# Altium PCB UCL-CPUM-H7-2_SCRAP.PcbDoc (part 4 of 4)
Units mm, origin at the board's own origin, x right, y up, seen from the top; angles counter-clockwise.
Board outline 42 x 53 mm, 6 copper layers (Top Layer, L2_GND, L3_VCC, L4_Sig, L5_GND, Bottom Layer), stack 1.657 mm thick; 92 components, 176 nets, 471 pads, 253 vias.
Unrouted connection lines stored in the file: 34.
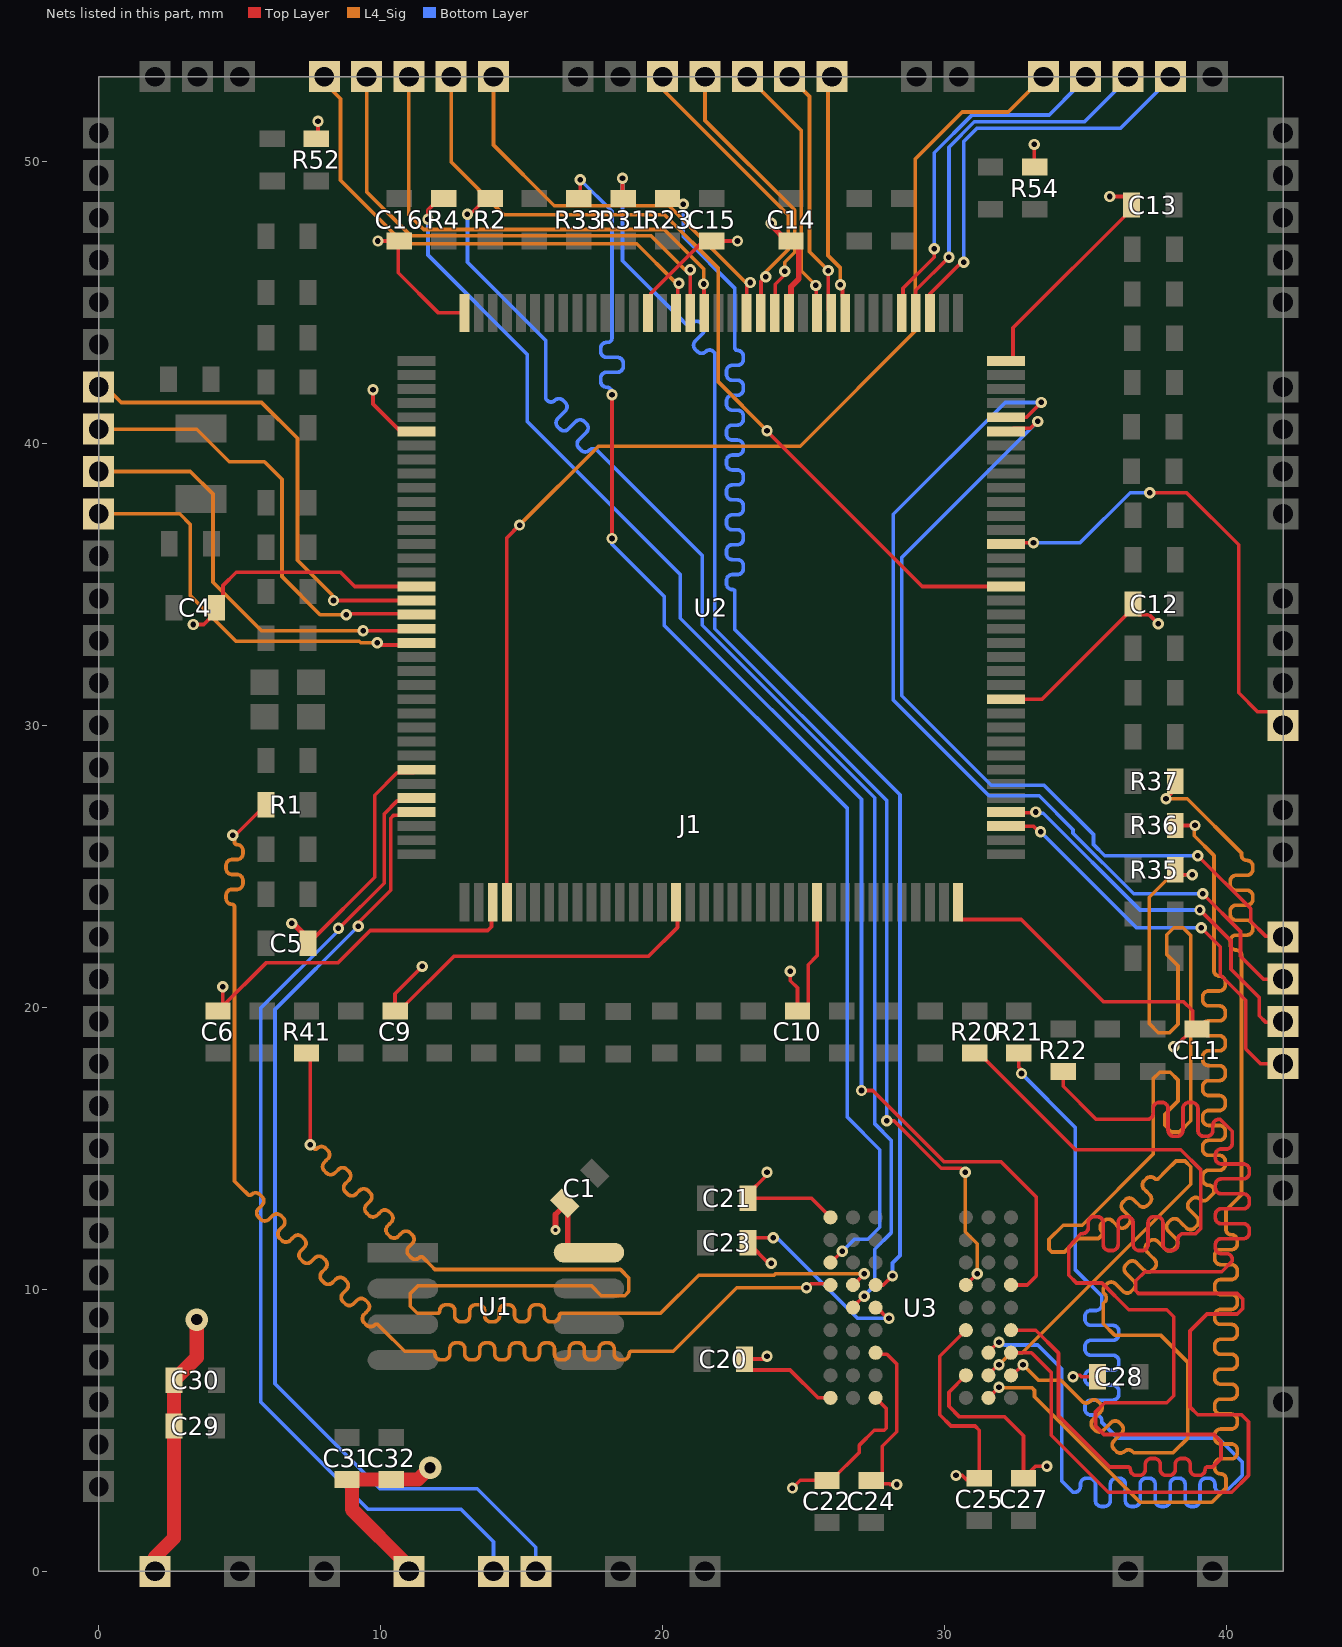
[diagram p8: the nets of this part, all layers, seen from the top]

## Via types
v1: diameter 0.4, hole 0.2, Top Layer to Bottom Layer, 250 vias
v2: diameter 0.8, hole 0.4, Top Layer to Bottom Layer, 2 vias
v3: diameter 0.35, hole 0.15, Top Layer to Bottom Layer, 1 vias

## Nets (pads, with @x,y where several pads share a name; then routed paths per layer and width w, separated by ;. In a path a pad name is that pad's centre, name@x,y a point inside that pad or via, vN(x,y) a via of type N, cw(c..) or ccw(c..) an arc to the next point about the centre after c; other vN are vias at no path point) (continued)
SDRAM_D10: R20.1 U3.D1 | length 52.5
  Top Layer w0.13: R20.1@31.059,18.375 31.209,18.375 34.635,14.95 38.375,14.95 39.075,14.25 39.075,12.15 38.9,11.975 38.55,11.975 38.482,11.975 ccw(c38.482,11.763) 38.27,11.763 38.27,11.587 cw(c38.058,11.587) 38.058,11.375 37.952,11.375 cw(c37.952,11.587) 37.74,11.587 37.74,11.975 37.74,12.363 ccw(c37.528,12.363) 37.528,12.575 37.422,12.575 ccw(c37.422,12.363) 37.21,12.363 37.21,11.975 37.21,11.587 cw(c36.998,11.587) 36.998,11.375 36.892,11.375 cw(c36.892,11.587) 36.68,11.587 36.68,11.975 36.68,12.363 ccw(c36.468,12.363) 36.468,12.575 36.362,12.575 ccw(c36.362,12.363) 36.15,12.363 36.15,11.975 36.15,11.587 cw(c35.938,11.587) 35.938,11.375 35.832,11.375 cw(c35.832,11.587) 35.62,11.587 35.62,11.975 35.62,12.363 ccw(c35.408,12.363) 35.408,12.575 35.302,12.575 ccw(c35.302,12.363) 35.09,12.363 35.09,12.187 cw(c34.878,12.187) 34.878,11.975 34.825,11.975 34.402,11.499 34.4,11.5 34.4,10.5 34.675,10.225 35.575,10.225 36.525,9.275 37.875,9.275 38.125,9.025 38.125,6.225 37.875,5.975 35.675,5.975 35.35,5.65 35.35,5.15 35.65,4.85 39.55,4.85 39.8,4.6 39.8,4 39.5,3.7 39.323,3.7 ccw(c39.323,3.612) 39.235,3.612 cw(c39.023,3.612) 39.023,3.4 38.917,3.4 cw(c38.917,3.612) 38.705,3.612 38.705,3.7 38.705,3.788 ccw(c38.493,3.788) 38.493,4 38.387,4 ccw(c38.387,3.788) 38.175,3.788 38.175,3.7 38.175,3.612 cw(c37.963,3.612) 37.963,3.4 37.857,3.4 cw(c37.857,3.612) 37.645,3.612 37.645,3.7 37.645,3.788 ccw(c37.433,3.788) 37.433,4 37.327,4 ccw(c37.327,3.788) 37.115,3.788 37.115,3.7 37.115,3.612 cw(c36.903,3.612) 36.903,3.4 36.797,3.4 cw(c36.797,3.612) 36.585,3.612 ccw(c36.497,3.612) 36.497,3.7 36.055,3.7 36,3.7 35.85,3.7 34.038,5.512 34.038,7.738 33.225,8.55 U3.D1@32.35,8.55
SDRAM_D11: R21.1 U3.C2 | length 48.4
  Top Layer w0.13: U3.C2@31.55,7.75 31.55,7.775 31.9,8.125 v1(31.927,8.125) ; R21.1@32.63,18.375 32.63,17.88 32.683,17.827 32.683,17.692 v1(32.725,17.65)
  Bottom Layer w0.13: v1(31.927,8.125) 31.95,8.125 31.967,8.108 32.027,8.108 32.11,8.025 33.3,8.025 34.15,7.175 34.15,3.2 34.55,2.8 34.603,2.8 ccw(c34.603,3.012) 34.815,3.012 34.815,3.088 cw(c35.027,3.088) 35.027,3.3 35.133,3.3 cw(c35.133,3.088) 35.345,3.088 35.345,2.8 35.345,2.512 ccw(c35.557,2.512) 35.557,2.3 35.663,2.3 ccw(c35.663,2.512) 35.875,2.512 35.875,2.8 35.875,3.088 cw(c36.087,3.088) 36.087,3.3 36.193,3.3 cw(c36.193,3.088) 36.405,3.088 36.405,2.8 36.405,2.512 ccw(c36.617,2.512) 36.617,2.3 36.723,2.3 ccw(c36.723,2.512) 36.935,2.512 36.935,2.8 36.935,3.088 cw(c37.147,3.088) 37.147,3.3 37.253,3.3 cw(c37.253,3.088) 37.465,3.088 37.465,2.8 37.465,2.512 ccw(c37.677,2.512) 37.677,2.3 37.783,2.3 ccw(c37.783,2.512) 37.995,2.512 37.995,2.8 37.995,3.088 cw(c38.207,3.088) 38.207,3.3 38.313,3.3 cw(c38.313,3.088) 38.525,3.088 38.525,2.8 38.525,2.512 ccw(c38.737,2.512) 38.737,2.3 38.843,2.3 ccw(c38.843,2.512) 39.055,2.512 39.055,2.8 39.055,3.088 cw(c39.267,3.088) 39.267,3.3 39.373,3.3 cw(c39.373,3.088) 39.585,3.088 39.585,3.012 ccw(c39.797,3.012) 39.797,2.8 39.95,2.8 40.55,3.4 40.55,3.875 39.7,4.725 36.125,4.725 35.575,5.275 35.575,5.328 ccw(c35.363,5.328) 35.363,5.54 35.187,5.54 cw(c35.187,5.752) 34.975,5.752 34.975,5.858 cw(c35.187,5.858) 35.187,6.07 35.575,6.07 35.963,6.07 ccw(c35.963,6.282) 36.175,6.282 36.175,6.388 ccw(c35.963,6.388) 35.963,6.6 35.575,6.6 35.187,6.6 cw(c35.187,6.812) 34.975,6.812 34.975,6.918 cw(c35.187,6.918) 35.187,7.13 35.575,7.13 35.963,7.13 ccw(c35.963,7.342) 36.175,7.342 36.175,7.448 ccw(c35.963,7.448) 35.963,7.66 35.575,7.66 35.187,7.66 cw(c35.187,7.872) 34.975,7.872 34.975,7.978 cw(c35.187,7.978) 35.187,8.19 35.575,8.19 35.963,8.19 ccw(c35.963,8.402) 36.175,8.402 36.175,8.508 ccw(c35.963,8.508) 35.963,8.72 35.575,8.72 35.187,8.72 cw(c35.187,8.932) 34.975,8.932 34.975,9.038 cw(c35.187,9.038) 35.187,9.25 35.363,9.25 ccw(c35.363,9.462) 35.575,9.462 35.575,9.675 35.575,9.75 34.625,10.7 34.625,15.75 v1(32.725,17.65)
SDRAM_D12: R22.1 U3.C1 | length 52.1
  Top Layer w0.13: U3.C1@32.35,7.75 33.075,7.75 33.775,7.05 33.775,4.825 35.8,2.8 40.175,2.8 40.775,3.4 40.775,5.3 40.525,5.55 38.976,5.55 38.7,5.826 38.7,8.525 39.3,9.125 40.375,9.125 40.575,9.325 40.575,9.65 40.375,9.85 36.875,9.85 36.775,9.95 36.775,10.3 37.1,10.625 39.825,10.625 40.2,11 40.2,11.053 ccw(c39.988,11.053) 39.988,11.265 39.812,11.265 cw(c39.812,11.477) 39.6,11.477 39.6,11.583 cw(c39.812,11.583) 39.812,11.795 40.2,11.795 40.588,11.795 ccw(c40.588,12.007) 40.8,12.007 40.8,12.113 ccw(c40.588,12.113) 40.588,12.325 40.2,12.325 39.812,12.325 cw(c39.812,12.537) 39.6,12.537 39.6,12.643 cw(c39.812,12.643) 39.812,12.855 40.2,12.855 40.588,12.855 ccw(c40.588,13.067) 40.8,13.067 40.8,13.173 ccw(c40.588,13.173) 40.588,13.385 40.2,13.385 39.812,13.385 cw(c39.812,13.597) 39.6,13.597 39.6,13.703 cw(c39.812,13.703) 39.812,13.915 40.2,13.915 40.588,13.915 ccw(c40.588,14.127) 40.8,14.127 40.8,14.233 ccw(c40.588,14.233) 40.588,14.445 40.2,14.445 39.812,14.445 cw(c39.812,14.657) 39.6,14.657 39.6,14.763 cw(c39.812,14.763) 39.812,14.975 39.988,14.975 ccw(c39.988,15.187) 40.2,15.187 40.2,15.505 40.2,15.6 39.775,16.025 39.722,16.025 ccw(c39.722,15.813) 39.51,15.813 39.51,15.637 cw(c39.298,15.637) 39.298,15.425 39.192,15.425 cw(c39.192,15.637) 38.98,15.637 38.98,16.025 38.98,16.413 ccw(c38.768,16.413) 38.768,16.625 38.662,16.625 ccw(c38.662,16.413) 38.45,16.413 38.45,16.025 38.45,15.637 cw(c38.238,15.637) 38.238,15.425 38.132,15.425 cw(c38.132,15.637) 37.92,15.637 37.92,16.025 37.92,16.413 ccw(c37.708,16.413) 37.708,16.625 37.602,16.625 ccw(c37.602,16.413) 37.39,16.413 37.39,16.237 cw(c37.178,16.237) 37.178,16.025 36.9,16.025 35.375,16.025 34.2,17.2 R22.1@34.2,17.725
SDRAM_D13: R35.2 U3.B2 | length 50.9
  Top Layer w0.13: U3.B2@31.55,6.95 31.55,6.975 31.9,7.325 v1(31.927,7.325) ; R35.2@38.175,24.878 38.353,24.7 v1(38.775,24.7)
  L4_Sig w0.13: v1(31.927,7.325) 32.351,7.75 32.75,7.75 38.725,13.725 38.725,14.35 38.525,14.55 38.2,14.55 37.85,14.2 37.574,13.924 cw(c37.511,13.986) 37.449,13.924 ccw(c37.299,13.774) 37.149,13.924 37.074,13.849 ccw(c37.224,13.699) 37.074,13.549 37.136,13.486 37.269,13.354 cw(c37.119,13.204) 37.269,13.054 37.194,12.979 cw(c37.045,13.129) 36.895,12.979 36.762,13.112 36.699,13.174 ccw(c36.549,13.024) 36.399,13.174 36.324,13.099 ccw(c36.474,12.949) 36.324,12.799 36.387,12.737 36.52,12.604 cw(c36.37,12.454) 36.52,12.304 36.445,12.229 cw(c36.295,12.379) 36.145,12.229 36.012,12.362 35.95,12.425 ccw(c35.8,12.275) 35.65,12.425 35.575,12.35 ccw(c35.725,12.2) 35.575,12.05 cw(c35.512,11.987) 35.575,11.925 35.45,11.8 34.725,11.8 34.25,11.325 33.8,11.325 33.7,11.425 33.7,11.775 34.2,12.275 34.875,12.275 37.4,14.8 37.4,17.475 37.625,17.7 38,17.7 38.275,17.425 38.275,16.675 37.8,16.2 37.8,15.813 38.038,15.575 38.325,15.575 38.725,15.975 38.725,22.55 38.45,22.825 38.125,22.825 37.875,22.575 37.875,21.875 38.275,21.475 38.275,19.4 37.975,19.1 37.575,19.1 37.25,19.425 37.25,23.9 38.05,24.7 v1(38.775,24.7)
SDRAM_D14: R36.2 U3.B1 | length 50.8
  Top Layer w0.13: U3.B1@32.35,6.95 32.275,6.95 32.4,6.95 v1(32.775,7.325) ; R36.2@38.175,26.449 38.874,26.449 v1(38.875,26.45)
  L4_Sig w0.13: v1(32.775,7.325) 33.325,6.775 34.125,6.775 34.7,6.2 34.881,6.019 ccw(c35.014,6.152) 35.146,6.019 cw(c35.296,5.869) 35.446,6.019 35.521,5.944 cw(c35.371,5.795) 35.521,5.645 35.388,5.512 35.255,5.379 ccw(c35.405,5.229) 35.255,5.079 35.33,5.004 ccw(c35.48,5.154) 35.63,5.004 35.763,5.137 35.896,5.27 cw(c36.046,5.12) 36.196,5.27 36.271,5.195 cw(c36.121,5.045) 36.271,4.895 36.138,4.762 36.005,4.629 ccw(c36.155,4.479) 36.005,4.329 36.08,4.254 ccw(c36.23,4.404) 36.38,4.254 cw(c36.513,4.122) 36.646,4.254 36.7,4.2 38.1,4.2 38.625,4.725 38.625,7.4 37.65,8.375 36.025,8.375 35.625,8.775 35.625,9.5 35.679,9.554 ccw(c35.547,9.687) 35.679,9.82 cw(c35.829,9.97) 35.679,10.12 35.754,10.195 cw(c35.904,10.045) 36.054,10.195 36.187,10.062 36.32,9.929 ccw(c36.47,10.079) 36.62,9.929 36.695,10.004 ccw(c36.545,10.154) 36.695,10.304 36.562,10.437 36.429,10.57 cw(c36.579,10.72) 36.429,10.87 36.504,10.945 cw(c36.654,10.795) 36.804,10.945 36.937,10.812 37.07,10.679 ccw(c37.22,10.829) 37.369,10.679 37.444,10.754 ccw(c37.294,10.904) 37.444,11.054 37.311,11.186 37.179,11.319 cw(c37.328,11.469) 37.179,11.619 37.253,11.694 cw(c37.403,11.544) 37.553,11.694 37.686,11.561 37.819,11.428 ccw(c37.969,11.578) 38.119,11.428 38.194,11.503 ccw(c38.044,11.653) 38.194,11.803 38.061,11.936 37.928,12.069 cw(c38.078,12.219) 37.928,12.369 38.003,12.444 cw(c38.153,12.294) 38.303,12.444 38.436,12.311 38.569,12.178 ccw(c38.719,12.328) 38.868,12.178 38.943,12.253 ccw(c38.794,12.403) 38.943,12.553 38.811,12.686 38.678,12.818 cw(c38.827,12.968) 38.678,13.118 38.753,13.193 cw(c38.902,13.043) 39.052,13.193 ccw(c39.185,13.326) 39.318,13.193 39.55,13.425 39.55,13.502 ccw(c39.362,13.502) 39.362,13.69 cw(c39.362,13.902) 39.15,13.902 39.15,14.008 cw(c39.362,14.008) 39.362,14.22 39.55,14.22 39.738,14.22 ccw(c39.738,14.432) 39.95,14.432 39.95,14.538 ccw(c39.738,14.538) 39.738,14.75 39.55,14.75 39.362,14.75 cw(c39.362,14.962) 39.15,14.962 39.15,15.068 cw(c39.362,15.068) 39.362,15.28 39.55,15.28 39.738,15.28 ccw(c39.738,15.492) 39.95,15.492 39.95,15.598 ccw(c39.738,15.598) 39.738,15.81 39.55,15.81 39.362,15.81 cw(c39.362,16.022) 39.15,16.022 39.15,16.128 cw(c39.362,16.128) 39.362,16.34 39.55,16.34 39.738,16.34 ccw(c39.738,16.552) 39.95,16.552 39.95,16.658 ccw(c39.738,16.658) 39.738,16.87 39.55,16.87 39.362,16.87 cw(c39.362,17.082) 39.15,17.082 39.15,17.188 cw(c39.362,17.188) 39.362,17.4 39.55,17.4 39.738,17.4 ccw(c39.738,17.612) 39.95,17.612 39.95,17.718 ccw(c39.738,17.718) 39.738,17.93 39.55,17.93 39.362,17.93 cw(c39.362,18.142) 39.15,18.142 39.15,18.248 cw(c39.362,18.248) 39.362,18.46 39.55,18.46 39.738,18.46 ccw(c39.738,18.672) 39.95,18.672 39.95,18.778 ccw(c39.738,18.778) 39.738,18.99 39.55,18.99 39.362,18.99 cw(c39.362,19.202) 39.15,19.202 39.15,19.308 cw(c39.362,19.308) 39.362,19.52 39.55,19.52 39.738,19.52 ccw(c39.738,19.732) 39.95,19.732 39.95,19.838 ccw(c39.738,19.838) 39.738,20.05 39.55,20.05 39.362,20.05 cw(c39.362,20.262) 39.15,20.262 39.15,20.368 cw(c39.362,20.368) 39.362,20.58 39.55,20.58 39.738,20.58 ccw(c39.738,20.792) 39.95,20.792 39.95,20.898 ccw(c39.738,20.898) 39.738,21.11 cw(c39.738,21.298) 39.55,21.298 39.55,21.6 39.55,25.379 38.849,26.08 38.849,26.424 v1(38.875,26.45)
SDRAM_D15: R37.2 U3.A2 | length 50.9
  Top Layer w0.13: U3.A2@31.55,6.15 v1(31.925,6.525) ; v1(37.85,27.4) 38.175,27.725 R37.2@38.175,28.019
  L4_Sig w0.13: v1(31.925,6.525) 31.945,6.505 33.095,6.505 33.185,6.415 33.185,6.19 36.925,2.45 39.475,2.45 39.975,2.95 39.975,3.267 ccw(c39.787,3.267) 39.787,3.455 cw(c39.787,3.667) 39.575,3.667 39.575,3.773 cw(c39.787,3.773) 39.787,3.985 39.975,3.985 40.163,3.985 ccw(c40.163,4.197) 40.375,4.197 40.375,4.303 ccw(c40.163,4.303) 40.163,4.515 39.975,4.515 39.787,4.515 cw(c39.787,4.727) 39.575,4.727 39.575,4.833 cw(c39.787,4.833) 39.787,5.045 39.975,5.045 40.163,5.045 ccw(c40.163,5.257) 40.375,5.257 40.375,5.363 ccw(c40.163,5.363) 40.163,5.575 39.975,5.575 39.787,5.575 cw(c39.787,5.787) 39.575,5.787 39.575,5.893 cw(c39.787,5.893) 39.787,6.105 39.975,6.105 40.163,6.105 ccw(c40.163,6.317) 40.375,6.317 40.375,6.423 ccw(c40.163,6.423) 40.163,6.635 39.975,6.635 39.787,6.635 cw(c39.787,6.847) 39.575,6.847 39.575,6.953 cw(c39.787,6.953) 39.787,7.165 39.975,7.165 40.163,7.165 ccw(c40.163,7.377) 40.375,7.377 40.375,7.483 ccw(c40.163,7.483) 40.163,7.695 39.975,7.695 39.787,7.695 cw(c39.787,7.907) 39.575,7.907 39.575,8.013 cw(c39.787,8.013) 39.787,8.225 39.975,8.225 40.163,8.225 ccw(c40.163,8.437) 40.375,8.437 40.375,8.543 ccw(c40.163,8.543) 40.163,8.755 39.975,8.755 39.787,8.755 cw(c39.787,8.967) 39.575,8.967 39.575,9.073 cw(c39.787,9.073) 39.787,9.285 39.975,9.285 40.163,9.285 ccw(c40.163,9.497) 40.375,9.497 40.375,9.603 ccw(c40.163,9.603) 40.163,9.815 39.975,9.815 39.787,9.815 cw(c39.787,10.027) 39.575,10.027 39.575,10.133 cw(c39.787,10.133) 39.787,10.345 39.975,10.345 40.163,10.345 ccw(c40.163,10.557) 40.375,10.557 40.375,10.663 ccw(c40.163,10.663) 40.163,10.875 39.975,10.875 39.787,10.875 cw(c39.787,11.087) 39.575,11.087 39.575,11.193 cw(c39.787,11.193) 39.787,11.405 39.975,11.405 40.163,11.405 ccw(c40.163,11.617) 40.375,11.617 40.375,11.723 ccw(c40.163,11.723) 40.163,11.935 cw(c40.163,12.123) 39.975,12.123 39.975,12.2 39.975,12.806 40.525,13.356 40.525,21.6 40.525,21.842 ccw(c40.337,21.842) 40.337,22.03 cw(c40.337,22.242) 40.125,22.242 40.125,22.348 cw(c40.337,22.348) 40.337,22.56 40.525,22.56 40.713,22.56 ccw(c40.713,22.772) 40.925,22.772 40.925,22.878 ccw(c40.713,22.878) 40.713,23.09 40.525,23.09 40.337,23.09 cw(c40.337,23.302) 40.125,23.302 40.125,23.408 cw(c40.337,23.408) 40.337,23.62 40.525,23.62 40.713,23.62 ccw(c40.713,23.832) 40.925,23.832 40.925,23.938 ccw(c40.713,23.938) 40.713,24.15 40.525,24.15 40.337,24.15 cw(c40.337,24.362) 40.125,24.362 40.125,24.468 cw(c40.337,24.468) 40.337,24.68 40.525,24.68 40.713,24.68 ccw(c40.713,24.892) 40.925,24.892 40.925,24.998 ccw(c40.713,24.998) 40.713,25.21 cw(c40.713,25.398) 40.525,25.398 40.525,25.475 38.6,27.4 v1(37.85,27.4)
SDRAM_NBL0: R2.1 U3.E8 | length 48.9
  Top Layer w0.13: v1(13.075,48.125) 13.18,48.125 13.73,48.675 R2.1@13.88,48.675 ; U3.E8@26.75,9.35 26.75,9.375 27.125,9.75 v1(27.151,9.75)
  Bottom Layer w0.13: v1(13.075,48.125) 13.075,46.425 15.85,43.65 15.85,41.575 15.904,41.521 ccw(c16.037,41.653) 16.17,41.521 cw(c16.32,41.371) 16.47,41.521 16.545,41.446 cw(c16.395,41.296) 16.545,41.146 16.412,41.013 16.279,40.88 ccw(c16.429,40.73) 16.279,40.58 16.354,40.505 ccw(c16.504,40.655) 16.654,40.505 16.787,40.638 16.92,40.771 cw(c17.07,40.621) 17.22,40.771 17.295,40.696 cw(c17.145,40.546) 17.295,40.396 17.162,40.263 17.029,40.13 ccw(c17.179,39.98) 17.029,39.831 17.104,39.756 ccw(c17.254,39.906) 17.404,39.756 cw(c17.536,39.623) 17.669,39.756 17.712,39.713 21.4,36.025 21.4,33.55 27.516,27.434 ; v1(27.151,9.75) 27.151,9.774 27.353,9.975 27.516,10.139 27.516,11.416 28.1,12 28.1,15.288 27.525,15.863 27.525,27.425
SDRAM_NBL1: R4.1 U3.F1 | length 49.9
  Top Layer w0.13: v1(11.675,47.95) 11.675,48.27 12.08,48.675 R4.1@12.23,48.675 ; v1(27.05,17.05) 27.45,17.05 29.975,14.525 32,14.525 33.25,13.275 33.25,10.475 32.925,10.15 U3.F1@32.35,10.15
  Bottom Layer w0.13: v1(11.675,47.95) 11.675,46.675 15.2,43.15 15.2,40.775 20.625,35.35 20.625,33.8 27.05,27.375 v1(27.05,17.05)
SDRAM_SDCKE1: R31.1 U3.F3 | length 47
  Top Layer w0.13: v1(18.575,49.4) 18.575,48.8 18.65,48.725 R31.1@18.6,48.675 ; v1(27.95,15.975) 28.2,15.975 29.88,14.295 30.58,14.295 v1(30.725,14.15) ; U3.F3@30.75,10.15 v1(31.15,10.55)
  L4_Sig w0.13: v1(30.725,14.15) 30.725,12.037 31.15,11.612 v1(31.15,10.55)
  Bottom Layer w0.13: v1(18.575,49.4) 18.575,46.475 20.663,44.388 20.78,44.27 ccw(c20.913,44.403) 21.046,44.27 cw(c21.196,44.12) 21.346,44.27 21.421,44.195 cw(c21.271,44.045) 21.421,43.895 21.288,43.762 21.155,43.629 ccw(c21.305,43.479) 21.155,43.329 21.23,43.254 ccw(c21.38,43.404) 21.53,43.254 cw(c21.663,43.122) 21.796,43.254 21.85,43.2 21.85,33.425 27.95,27.325 v1(27.95,15.975)
SDRAM_SDNCAS: R23.2 U3.F7 | length 49.3
  Top Layer w0.13: R23.2@20.17,48.675 20.37,48.475 v1(20.725,48.475) ; U3.F7@27.55,10.15 27.825,10.15 v1(28.15,10.475)
  Bottom Layer w0.13: v1(20.725,48.475) 20.725,47.325 22.56,45.49 22.56,43.55 22.56,43.383 ccw(c22.648,43.383) 22.648,43.295 cw(c22.648,43.083) 22.86,43.083 22.86,42.977 cw(c22.648,42.977) 22.648,42.765 22.56,42.765 22.472,42.765 ccw(c22.472,42.553) 22.26,42.553 22.26,42.447 ccw(c22.472,42.447) 22.472,42.235 22.56,42.235 22.648,42.235 cw(c22.648,42.023) 22.86,42.023 22.86,41.917 cw(c22.648,41.917) 22.648,41.705 22.56,41.705 22.472,41.705 ccw(c22.472,41.493) 22.26,41.493 22.26,41.387 ccw(c22.472,41.387) 22.472,41.175 22.56,41.175 22.648,41.175 cw(c22.648,40.963) 22.86,40.963 22.86,40.857 cw(c22.648,40.857) 22.648,40.645 22.56,40.645 22.472,40.645 ccw(c22.472,40.433) 22.26,40.433 22.26,40.327 ccw(c22.472,40.327) 22.472,40.115 22.56,40.115 22.648,40.115 cw(c22.648,39.903) 22.86,39.903 22.86,39.797 cw(c22.648,39.797) 22.648,39.585 22.56,39.585 22.472,39.585 ccw(c22.472,39.373) 22.26,39.373 22.26,39.267 ccw(c22.472,39.267) 22.472,39.055 22.56,39.055 22.648,39.055 cw(c22.648,38.843) 22.86,38.843 22.86,38.737 cw(c22.648,38.737) 22.648,38.525 22.56,38.525 22.472,38.525 ccw(c22.472,38.313) 22.26,38.313 22.26,38.207 ccw(c22.472,38.207) 22.472,37.995 22.56,37.995 22.648,37.995 cw(c22.648,37.783) 22.86,37.783 22.86,37.677 cw(c22.648,37.677) 22.648,37.465 22.56,37.465 22.472,37.465 ccw(c22.472,37.253) 22.26,37.253 22.26,37.147 ccw(c22.472,37.147) 22.472,36.935 22.56,36.935 22.648,36.935 cw(c22.648,36.723) 22.86,36.723 22.86,36.617 cw(c22.648,36.617) 22.648,36.405 22.56,36.405 22.472,36.405 ccw(c22.472,36.193) 22.26,36.193 22.26,36.087 ccw(c22.472,36.087) 22.472,35.875 22.56,35.875 22.648,35.875 cw(c22.648,35.663) 22.86,35.663 22.86,35.557 cw(c22.648,35.557) 22.648,35.345 22.56,35.345 22.472,35.345 ccw(c22.472,35.133) 22.26,35.133 22.26,35.027 ccw(c22.472,35.027) 22.472,34.815 cw(c22.472,34.727) 22.56,34.727 22.56,34.55 22.56,33.39 28.415,27.535 28.415,11.199 28.15,10.934 v1(28.15,10.475)
SDRAM_SDNE1: R33.1 U3.G9 | length 46.2
  Top Layer w0.13: R33.1@17.02,48.675 17.075,48.73 v1(17.075,49.35) ; v1(18.2,36.625) v1(18.2,41.725) ; U3.G9@25.95,10.95 25.963,10.95 v1(26.363,11.351)
  Bottom Layer w0.13: v1(17.075,49.35) 18.2,48.225 18.2,43.725 cw(c18.055,43.725) 18.055,43.58 18.012,43.58 ccw(c18.012,43.368) 17.8,43.368 17.8,43.262 ccw(c18.012,43.262) 18.012,43.05 18.2,43.05 18.388,43.05 cw(c18.388,42.838) 18.6,42.838 18.6,42.732 cw(c18.388,42.732) 18.388,42.52 18.2,42.52 18.012,42.52 ccw(c18.012,42.308) 17.8,42.308 17.8,42.202 ccw(c18.012,42.202) 18.012,41.99 cw(c18.012,41.802) 18.2,41.802 v1(18.2,41.725) ; v1(18.2,36.625) 18.2,36.425 20.05,34.575 20.05,33.55 26.55,27.05 26.55,16.1 27.7,14.95 27.7,12.2 27.275,11.775 26.801,11.775 26.376,11.351 v1(26.363,11.351)
SDRAM_SDNRAS: R41.1 U3.F8 | length 50.4
  Top Layer w0.13: R41.1@7.369,18.375 7.5,18.244 v1(7.5,15.125) ; U3.F8@26.75,10.15 26.763,10.15 27.151,10.538 v1(27.151,10.551)
  L4_Sig w0.13: v1(7.5,15.125) 7.625,15 ccw(c7.687,15.062) 7.75,15 cw(c7.9,14.85) 8.049,15 8.124,14.925 cw(c7.974,14.775) 8.124,14.625 8.062,14.563 8,14.501 ccw(c8.15,14.351) 8,14.201 8.075,14.126 ccw(c8.225,14.276) 8.375,14.126 8.437,14.188 8.499,14.25 cw(c8.649,14.1) 8.799,14.25 8.874,14.175 cw(c8.724,14.025) 8.874,13.876 8.812,13.813 8.749,13.751 ccw(c8.899,13.601) 8.749,13.451 8.824,13.376 ccw(c8.974,13.526) 9.124,13.376 9.186,13.439 9.249,13.501 cw(c9.399,13.351) 9.548,13.501 9.623,13.426 cw(c9.474,13.276) 9.623,13.126 9.561,13.064 9.499,13.002 ccw(c9.649,12.852) 9.499,12.702 9.574,12.627 ccw(c9.724,12.777) 9.874,12.627 9.936,12.689 9.998,12.751 cw(c10.148,12.601) 10.298,12.751 10.373,12.676 cw(c10.223,12.526) 10.373,12.376 10.311,12.314 10.249,12.252 ccw(c10.398,12.102) 10.249,11.952 10.323,11.877 ccw(c10.473,12.027) 10.623,11.877 10.686,11.939 10.748,12.002 cw(c10.898,11.852) 11.048,12.002 11.122,11.927 cw(c10.973,11.777) 11.122,11.627 11.06,11.565 10.998,11.502 ccw(c11.148,11.353) 10.998,11.203 11.073,11.128 ccw(c11.223,11.278) 11.373,11.128 cw(c11.435,11.066) 11.497,11.128 11.81,10.815 11.925,10.7 18.5,10.7 18.8,10.4 18.8,9.925 18.65,9.775 17.825,9.775 17.475,10.125 11.325,10.125 11.05,9.85 11.05,9.4 11.3,9.15 11.85,9.15 12.007,9.15 ccw(c12.007,9.238) 12.095,9.238 cw(c12.307,9.238) 12.307,9.45 12.413,9.45 cw(c12.413,9.238) 12.625,9.238 12.625,9.15 12.625,9.062 ccw(c12.837,9.062) 12.837,8.85 12.943,8.85 ccw(c12.943,9.062) 13.155,9.062 13.155,9.15 13.155,9.238 cw(c13.367,9.238) 13.367,9.45 13.473,9.45 cw(c13.473,9.238) 13.685,9.238 13.685,9.15 13.685,9.062 ccw(c13.897,9.062) 13.897,8.85 14.003,8.85 ccw(c14.003,9.062) 14.215,9.062 14.215,9.15 14.215,9.238 cw(c14.427,9.238) 14.427,9.45 14.533,9.45 cw(c14.533,9.238) 14.745,9.238 14.745,9.15 14.745,9.062 ccw(c14.957,9.062) 14.957,8.85 15.063,8.85 ccw(c15.063,9.062) 15.275,9.062 15.275,9.15 15.275,9.238 cw(c15.487,9.238) 15.487,9.45 15.593,9.45 cw(c15.593,9.238) 15.805,9.238 15.805,9.15 15.805,9.062 ccw(c16.017,9.062) 16.017,8.85 16.123,8.85 ccw(c16.123,9.062) 16.335,9.062 cw(c16.423,9.062) 16.423,9.15 16.6,9.15 19.925,9.15 21.275,10.5 23.951,10.5 24.002,10.551 v1(27.151,10.551)
  Bottom Layer w0.13: v1@27.15,10.475 27.15,10.477 27.151,10.478 v1(27.151,10.551)
SDRAM_SDNWE: R1.2 U3.F9 | length 50.5
  Top Layer w0.13: v1(4.75,26.1) 4.845,26.1 R1.2@5.925,27.18 ; v1(25.1,10.05) 25.25,10.2 25.875,10.2 25.925,10.15 U3.F9@25.95,10.15
  L4_Sig w0.13: v1(4.75,26.1) 4.815,26.035 4.815,25.858 ccw(c4.903,25.858) 4.903,25.77 cw(c4.903,25.558) 5.115,25.558 5.115,25.452 cw(c4.903,25.452) 4.903,25.24 4.815,25.24 4.727,25.24 ccw(c4.727,25.028) 4.515,25.028 4.515,24.922 ccw(c4.727,24.922) 4.727,24.71 4.815,24.71 4.903,24.71 cw(c4.903,24.498) 5.115,24.498 5.115,24.392 cw(c4.903,24.392) 4.903,24.18 4.815,24.18 4.727,24.18 ccw(c4.727,23.968) 4.515,23.968 4.515,23.862 ccw(c4.727,23.862) 4.727,23.65 cw(c4.727,23.562) 4.815,23.562 4.815,23.4 4.815,13.835 5.037,13.613 5.291,13.359 ccw(c5.353,13.422) 5.415,13.359 cw(c5.565,13.209) 5.715,13.359 5.79,13.284 cw(c5.64,13.134) 5.79,12.985 5.728,12.922 5.665,12.86 ccw(c5.815,12.71) 5.665,12.56 5.74,12.485 ccw(c5.89,12.635) 6.04,12.485 6.102,12.548 6.165,12.61 cw(c6.315,12.46) 6.464,12.61 6.539,12.535 cw(c6.39,12.385) 6.539,12.235 6.477,12.173 6.415,12.111 ccw(c6.565,11.961) 6.415,11.811 6.49,11.736 ccw(c6.64,11.886) 6.79,11.736 6.852,11.798 6.914,11.86 cw(c7.064,11.71) 7.214,11.86 7.289,11.785 cw(c7.139,11.635) 7.289,11.485 7.227,11.423 7.165,11.361 ccw(c7.314,11.211) 7.165,11.061 7.239,10.986 ccw(c7.389,11.136) 7.539,10.986 7.602,11.048 7.664,11.111 cw(c7.814,10.961) 7.964,11.111 8.039,11.036 cw(c7.889,10.886) 8.039,10.736 7.976,10.674 7.914,10.611 ccw(c8.064,10.462) 7.914,10.312 7.989,10.237 ccw(c8.139,10.387) 8.289,10.237 8.351,10.299 8.413,10.361 cw(c8.563,10.211) 8.713,10.361 8.788,10.286 cw(c8.638,10.136) 8.788,9.986 8.726,9.924 8.664,9.862 ccw(c8.813,9.712) 8.664,9.562 8.739,9.487 ccw(c8.888,9.637) 9.038,9.487 9.101,9.549 9.163,9.612 cw(c9.313,9.462) 9.463,9.612 9.538,9.537 cw(c9.388,9.387) 9.538,9.237 9.475,9.175 9.413,9.112 ccw(c9.563,8.963) 9.413,8.813 9.488,8.738 ccw(c9.638,8.888) 9.788,8.738 cw(c9.85,8.675) 9.912,8.738 10.037,8.612 10.85,7.8 11.8,7.8 11.832,7.8 cw(c11.832,7.712) 11.92,7.712 ccw(c12.132,7.712) 12.132,7.5 12.238,7.5 ccw(c12.238,7.712) 12.45,7.712 12.45,7.8 12.45,7.888 cw(c12.662,7.888) 12.662,8.1 12.768,8.1 cw(c12.768,7.888) 12.98,7.888 12.98,7.8 12.98,7.712 ccw(c13.192,7.712) 13.192,7.5 13.298,7.5 ccw(c13.298,7.712) 13.51,7.712 13.51,7.8 13.51,7.888 cw(c13.722,7.888) 13.722,8.1 13.828,8.1 cw(c13.828,7.888) 14.04,7.888 14.04,7.8 14.04,7.712 ccw(c14.252,7.712) 14.252,7.5 14.358,7.5 ccw(c14.358,7.712) 14.57,7.712 14.57,7.8 14.57,7.888 cw(c14.782,7.888) 14.782,8.1 14.888,8.1 cw(c14.888,7.888) 15.1,7.888 15.1,7.8 15.1,7.712 ccw(c15.312,7.712) 15.312,7.5 15.418,7.5 ccw(c15.418,7.712) 15.63,7.712 15.63,7.8 15.63,7.888 cw(c15.842,7.888) 15.842,8.1 15.948,8.1 cw(c15.948,7.888) 16.16,7.888 16.16,7.8 16.16,7.712 ccw(c16.372,7.712) 16.372,7.5 16.478,7.5 ccw(c16.478,7.712) 16.69,7.712 16.69,7.8 16.69,7.888 cw(c16.902,7.888) 16.902,8.1 17.008,8.1 cw(c17.008,7.888) 17.22,7.888 17.22,7.8 17.22,7.712 ccw(c17.432,7.712) 17.432,7.5 17.538,7.5 ccw(c17.538,7.712) 17.75,7.712 17.75,7.8 17.75,7.888 cw(c17.962,7.888) 17.962,8.1 18.068,8.1 cw(c18.068,7.888) 18.28,7.888 18.28,7.8 18.28,7.712 ccw(c18.492,7.712) 18.492,7.5 18.598,7.5 ccw(c18.598,7.712) 18.81,7.712 cw(c18.898,7.712) 18.898,7.8 19.075,7.8 20.375,7.8 22.625,10.05 v1(25.1,10.05)
SPI2_MISO: J1.41 U2.75 | length 14.6
  Top Layer w0.13: U2.75@32.175,26.425 33.14,26.425 33.34,26.225 v1(33.4,26.225) ; v1(39.1,22.825) 39.775,22.15 39.775,21.15 40.675,20.25 40.675,18.525 41.2,18 J1.41@41.685,18
  Bottom Layer w0.13: v1(33.4,26.225) 36.8,22.825 v1(39.1,22.825)
SPI2_MOSI: J1.40 U2.76 | length 13.6
  Top Layer w0.13: U2.76@32.175,26.925 32.375,26.925 32.4,26.9 33.2,26.9 v1(33.225,26.925) ; v1(39.05,23.45) 40.15,22.35 40.15,21.35 41.15,20.35 41.15,19.7 41.375,19.475 41.66,19.475 J1.40@41.685,19.5
  Bottom Layer w0.13: v1(33.225,26.925) 33.267,26.883 33.492,26.883 36.925,23.45 v1(39.05,23.45)
SPI2_NSS: J1.38 U2.103 | length 30.2
  Top Layer w0.13: U2.103@32.175,40.425 32.325,40.425 32.43,40.53 33.045,40.53 33.292,40.777 v1(33.302,40.777) ; v1(38.975,25.375) 40.85,23.5 40.85,23.05 41.375,22.525 41.66,22.525 J1.38@41.685,22.5
  Bottom Layer w0.13: v1(33.302,40.777) 28.475,35.95 28.475,31.05 31.65,27.875 33.525,27.875 35.275,26.125 35.275,25.775 35.675,25.375 v1(38.975,25.375)
SPI2_SCK: J1.39 U2.104 | length 33.1
  Top Layer w0.13: U2.104@32.175,40.925 32.9,40.925 v1(33.425,41.45) ; v1(39.15,24.025) 40.487,22.688 40.487,21.813 41.275,21.025 41.28,21.025 41.305,21 J1.39@41.685,21
  Bottom Layer w0.13: v1(33.425,41.45) 32.15,41.45 28.18,37.48 28.18,30.895 31.575,27.5 33.35,27.5 34.55,26.3 34.55,26.175 36.7,24.025 v1(39.15,24.025)
SPI3_MISO: J1.20 U2.112 | length 13.9
  Top Layer w0.13: U2.112@28.975,44.625 28.975,45.425 v1(30.15,46.6)
  Bottom Layer w0.13: v1(30.15,46.6) 30.15,50.5 31.05,51.4 34.962,51.4 36.247,52.685 36.5,52.685 J1.20@36.5,53
SPI3_MOSI: J1.19 U2.113 | length 12.8
  Top Layer w0.13: U2.113@28.475,44.625 28.52,44.67 28.52,45.495 29.625,46.6 v1(29.625,46.9)
  Bottom Layer w0.13: v1(29.625,46.9) 29.625,50.301 30.969,51.645 33.707,51.645 34.747,52.685 35,52.685 J1.19@35,53
SPI3_NSS: J1.18 U2.40 | length 42.3
  Top Layer w0.13: U2.40@14.475,23.725 14.475,36.65 v1(14.925,37.1)
  L4_Sig w0.13: v1(14.925,37.1) 17.725,39.9 24.875,39.9 28.95,43.975 28.95,50.075 30.625,51.75 32.25,51.75 J1.18@33.5,53
SPI3_SCK: J1.21 U2.111 | length 14.8
  Top Layer w0.13: U2.111@29.475,44.625 29.475,45.3 30.6,46.425 v1(30.675,46.425)
  Bottom Layer w0.13: v1(30.675,46.425) 30.675,50.7 31.145,51.17 36.232,51.17 37.747,52.685 J1.21@38,52.685
SPI5_MISO: J1.79 U2.20 | length 15.2
  Top Layer w0.13: v1(9.375,33.35) 11.2,33.35 U2.20@11.275,33.425
  L4_Sig w0.13: J1.79@0.315,39 3.25,39 4.05,38.2 4.05,35.075 5.775,33.35 v1(9.375,33.35)
SPI5_MOSI: J1.78 U2.21 | length 14.5
  Top Layer w0.13: v1(9.875,32.925) 9.95,32.85 11.35,32.85 U2.21@11.275,32.925
  L4_Sig w0.13: J1.78@0.315,37.5 2.875,37.5 3.25,37.125 3.25,34.6 4.865,32.985 9.24,32.985 9.3,32.925 v1(9.875,32.925)
SPI5_NSS: J1.81 U2.18 | length 16.8
  Top Layer w0.13: v1(8.325,34.425) U2.18@11.275,34.425
  L4_Sig w0.13: J1.81@0.315,42 0.315,41.938 0.803,41.45 5.775,41.45 7.05,40.175 7.05,35.85 8.283,34.617 8.283,34.467 v1(8.325,34.425)
SPI5_SCK: J1.80 U2.19 | length 15.8
  Top Layer w0.13: v1(8.775,33.925) 8.8,33.95 11.225,33.95 11.275,33.9 U2.19@11.275,33.925
  L4_Sig w0.13: J1.80@0.315,40.5 3.475,40.5 4.625,39.35 5.875,39.35 6.5,38.725 6.5,35.275 7.85,33.925 v1(8.775,33.925)
"USART2_ CK": J1.11 U2.123 | length 10.4
  Top Layer w0.13: U2.123@23.475,44.625 23.4,44.7 23.488,44.788 23.488,45.739 v1(23.651,45.902)
  L4_Sig w0.13: J1.11@20,52.685 20,52.55 24.45,48.1 24.45,46.875 23.651,46.076 v1(23.651,45.902)
"USART2_ CTS": J1.15 U2.117 | length 8.6
  Top Layer w0.13: v1@26.374,45.495 26.374,45.209 26.365,45.2 26.475,45.09 U2.117@26.475,44.625
  L4_Sig w0.13: J1.15@26,53 25.86,52.86 25.86,46.656 26.301,46.215 26.301,45.729 26.33,45.7 26.35,45.7 26.301,45.651 v1(26.301,45.627)
"USART2_ RTS": J1.14 U2.118 | length 9
  Top Layer w0.13: U2.118@25.875,44.725 v1(25.875,46.125)
  L4_Sig w0.13: J1.14@24.5,53 24.5,52.685 24.815,52.685 25.204,52.296 25.204,46.796 v1(25.875,46.125)
"USART2_ RX": J1.12 U2.122 | length 9.7
  Top Layer w0.13: U2.122@23.975,44.625 23.975,44.7 24.025,44.75 23.988,44.787 23.988,45.638 24.325,45.975 v1(24.325,46.1)
  L4_Sig w0.13: J1.12@21.5,52.685 21.5,51.45 24.68,48.27 24.68,46.78 24.325,46.425 v1(24.325,46.1)
"USART2_ TX": J1.13 U2.119 | length 9.6
  Top Layer w0.13: v1(25.425,45.6) 25.45,45.575 25.45,44.637 U2.119@25.463,44.625
  L4_Sig w0.13: J1.13@23,53 23,52.685 23.315,52.685 24.91,51.09 24.91,46.115 25.353,45.672 25.353,45.603 25.35,45.6 v1(25.425,45.6)
USART6_CK: J1.7 U2.92 | length 31
  Top Layer w0.13: v1(23.7,40.45) 23.7,40.425 24.875,39.25 29.2,34.925 U2.92@32.175,34.925
  L4_Sig w0.13: J1.7@12.5,52.685 12.5,49.975 14.375,48.1 20.075,48.1 21.975,46.2 21.975,42.175 v1(23.7,40.45)
USART6_CTS: J1.5 U2.128 | length 18.3
  Top Layer w0.13: U2.128@20.975,44.625 21,44.625 20.975,44.65 v1(20.975,46.15)
  L4_Sig w0.13: J1.5@9.5,53 9.5,48.925 11.07,47.355 19.595,47.355 20.8,46.15 v1(20.975,46.15)
USART6_RTS: J1.6 U2.127 | length 17.4
  Top Layer w0.13: v1(21.45,45.65) 21.463,45.637 21.463,44.787 21.5,44.75 21.475,44.725 U2.127@21.475,44.625
  L4_Sig w0.13: J1.6@11,52.685 11,48.109 11.524,47.585 20.056,47.585 21.45,46.191 v1(21.45,45.65)
USART6_RX: J1.8 U2.124 | length 14.4
  Top Layer w0.13: U2.124@23.025,44.625 U2.124@22.975,44.625 22.975,45.576 v1(23.101,45.702)
  L4_Sig w0.13: J1.8@14,52.685 14,50.575 16.15,48.425 20.225,48.425 22.948,45.702 v1(23.101,45.702)
USART6_TX: J1.4 U2.129 | length 18.3
  Top Layer w0.13: U2.129@20.475,44.625 20.475,44.65 20.45,44.675 20.533,44.758 20.533,45.633 v1(20.575,45.675)
  L4_Sig w0.13: J1.4@8,52.685 8.112,52.685 8.575,52.222 8.575,49.325 10.825,47.075 19.075,47.075 20.433,45.717 20.473,45.717 20.5,45.69 20.5,45.65 20.525,45.675 v1(20.575,45.675)
VCC: C1.1 C4.2 C5.2 C6.2 C9.2 C10.2 C11.2 C12.2 C13.2 C14.2 C15.2 C16.2 C20.2 C21.2 C22.2 C23.2 C24.2 C25.2 C27.2 C28.2 C29.2 C30.2 C31.2 C32.2 J1.51 J1.54 R52.2 R54.2 U1.8 U2.6 U2.17 U2.30 U2.39 U2.52 U2.62 U2.72 U2.84 U2.108 U2.121 U2.131 U2.144 U3.A7 U3.A9 U3.B3 U3.C7 U3.D3 U3.E7 U3.J9 | length 160.3
  Top Layer w0.13: v1(3.35,33.575) 3.725,33.575 3.975,33.825 4.125,33.825 4.175,33.875 C4.2@4.175,34.175 4.175,34.375 4.225,34.375 4.41,34.56 4.41,34.96 4.875,35.425 8.575,35.425 9.075,34.925 U2.17@11.275,34.925 ; C6.2@4.3,19.925 4.25,19.875 C6.2@4.228,19.875 C6.2@4.325,19.972 ; v1(4.4,20.725) 4.4,20.047 C6.2@4.325,19.972 ; C5.2@7.6,22.275 7.6,22.425 9.785,24.61 9.785,27.518 10.582,28.315 11.165,28.315 U2.30@11.275,28.425 ; R52.2@7.72,50.8 7.775,50.855 v1(7.775,51.425) ; v1(9.725,41.9) 9.725,41.392 10.717,40.4 11.025,40.4 11.05,40.425 U2.6@11.275,40.425 ; v1(9.9,47.175) 10.625,47.175 C16.2@10.642,47.158 ; C16.2@10.659,47.175 C16.2@10.642,47.158 ; v1(11.475,21.45) 10.509,20.484 C9.2@10.509,19.875 10.659,19.875 12.589,21.805 15.079,21.805 15.084,21.81 16.329,21.81 16.334,21.815 19.507,21.815 20.525,22.833 20.525,23.675 U2.52@20.475,23.725 ; U2.144@12.975,44.625 12.05,44.625 10.625,46.05 10.625,47.141 C16.2@10.642,47.158 ; U2.39@13.975,23.725 13.93,23.68 13.93,22.855 13.8,22.725 9.625,22.725 8.475,21.575 5.928,21.575 C6.2@4.325,19.972 ; U2.131@19.475,44.625 19.585,44.735 19.585,45.318 21.442,47.175 C15.2@21.741,47.175 v1(22.65,47.175) ; v1(23.7,7.625) 23.6,7.525 C20.2@22.9,7.525 22.9,7.375 23.135,7.14 24.515,7.14 25.505,6.15 U3.A9@25.95,6.15 ; v1(23.7,14.15) 23.658,14.108 23.658,14.008 23.025,13.375 C21.2@23.025,13.225 25.275,13.225 U3.J9@25.95,12.55 ; v1(23.85,10.925) 23.755,10.925 23.04,11.64 C23.2@23.025,11.655 23.025,11.625 23.225,11.825 v1(23.925,11.825) ; v1(24.525,21.275) 24.525,20.943 24.778,20.69 C10.2@24.778,19.875 24.928,19.875 25.163,20.11 25.163,21.512 25.475,21.823 U2.62@25.475,23.725 ; v1(24.6,2.95) 24.875,3.225 C22.2@25.825,3.225 25.975,3.225 26.975,4.225 26.975,4.475 27.5,5 27.849,5 27.925,5.076 27.925,5.775 U3.A7@27.55,6.15 ; U3.C7@27.55,7.75 27.6,7.7 27.95,7.7 28.3,7.35 28.3,4.95 27.785,4.435 27.785,3.46 27.55,3.225 C24.2@27.4,3.225 27.525,3.1 28.05,3.1 28.075,3.075 v1(28.3,3.075) ; U3.E7@27.55,9.35 27.6,9.35 27.975,8.975 v1(28.025,8.975) ; v1(30.4,3.4) 30.625,3.4 30.775,3.25 30.8,3.275 31.2,3.275 C25.2@31.221,3.296 ; U2.72@30.475,23.725 30.475,23.225 30.585,23.115 32.716,23.115 35.631,20.2 38.47,20.2 38.795,19.875 38.795,19.225 38.17,18.6 v1(38.125,18.6) ; U3.B3@30.75,6.95 30.15,6.35 30.15,5.85 30.525,5.475 32.125,5.475 32.795,4.805 C27.2@32.795,3.3 33.22,3.725 v1(33.625,3.725) ; U3.D3@30.75,8.55 29.825,7.625 29.825,5.55 30.225,5.15 31.075,5.15 31.221,5.004 C25.2@31.221,3.296 ; C25.2@31.225,3.3 C25.2@31.221,3.296 ; U2.84@32.175,30.925 33.45,30.925 C12.2@36.675,34.15 ; U2.108@32.175,42.925 32.315,42.925 32.425,43.035 32.425,44.1 C13.2@36.7,48.375 ; v1(33.175,50.6) 33.175,49.875 R54.2@33.25,49.8 ; R54.2@33.195,49.8 R54.2@33.25,49.8 ; R54.2@33.275,49.775 R54.2@33.25,49.8 ; v1(34.55,6.9) 34.6,6.95 34.8,6.95 34.85,6.9 C28.2@35.425,6.9 ; v1(35.85,48.75) 36.825,48.75 36.875,48.7 C13.2@36.625,48.45 ; C12.2@36.675,34.3 C12.2@36.675,34.15 ; v1(37.575,33.6) 37.26,33.915 36.91,33.915 C12.2@36.675,34.15
  Top Layer w0.2: v1(6.85,22.975) 6.9,22.975 C5.2@7.6,22.275 ; v3(16.2,12.1) 16.2,12.65 C1.1@16.525,12.975 ; C1.1@16.525,13.052 C1.1@16.525,12.975 ; U1.8@17.385,11.3 16.894,11.3 16.631,11.563 16.631,12.764 16.525,12.87 C1.1@16.525,12.975 ; v1(23.85,47.8) 23.888,47.762 23.888,47.687 24.4,47.175 C14.2@24.55,47.175 24.625,47.175 24.825,46.975 24.825,45.825 24.55,45.55 24.55,44.7 U2.121@24.475,44.625
  Top Layer w0.5: J1.54@2,0.5 2.675,1.175 C29.2@2.675,5.15 C30.2@2.675,6.775 3.475,7.575 v2(3.475,8.925) ; C31.2@8.805,3.25 C31.2@8.925,3.25 ; J1.51@11,0 11,0.175 8.975,2.2 8.975,3.2 C31.2@8.925,3.25 ; v2(11.75,3.675) 11.325,3.25 C32.2@10.375,3.25 C31.2@8.925,3.25
  Bottom Layer w0.13: v1(23.925,11.825) 23.967,11.783 24.098,11.783 26.906,8.975 v1(28.025,8.975)
VDD33USB: J1.35 U2.95 | length 17.2
  Top Layer w0.13: U2.95@32.175,36.425 32.175,36.375 32.225,36.325 32.375,36.475 v1(33.15,36.475) ; v1(37.275,38.25) 38.575,38.25 40.425,36.4 40.425,31.15 41.09,30.485 41.515,30.485 J1.35@42,30 ; J1.35@41.66,29.975 J1.35@41.685,30
  Bottom Layer w0.13: v1(33.15,36.475) 34.802,36.475 36.576,38.249 v1(37.275,38.25)
VDDA: J1.49 U2.33 | length 35
  Top Layer w0.13: v1(9.2,22.875) 9.2,22.994 10.355,24.149 10.355,26.7 10.47,26.815 10.85,26.815 10.96,26.925 U2.33@11.275,26.925
  Bottom Layer w0.13: v1(9.2,22.875) 6.25,19.925 6.25,6.65 9.975,2.925 13.425,2.925 15.5,0.85 J1.49@15.5,0.315
VREF+: J1.50 U2.32 | length 35.1
  Top Layer w0.13: v1(8.5,22.8) 8.525,22.8 10.125,24.4 10.125,26.858 10.582,27.315 10.69,27.315 10.8,27.425 U2.32@11.275,27.425
  Bottom Layer w0.13: v1(8.5,22.8) 8.5,22.725 8.485,22.725 8.458,22.698 8.458,22.683 5.75,19.975 5.75,6 9.55,2.2 12.85,2.2 14,1.05 J1.50@14,0.315
pads on no net: U3.E2

## Polygon pours and split planes (outlines as drawn)
GND on L2_GND (split plane): 41.999,0.001 0.001,0.001 0.001,52.999 41.999,52.999
VCC on L3_VCC (split plane): 41.49,0.51 0.51,0.51 0.51,52.49 41.49,52.49
GND on L5_GND (split plane): 41.999,0.001 0.001,0.001 0.001,52.999 41.999,52.999

## Silkscreen, mask and mechanical layers (free items; w line width, h text height)
Top Overlay:
  lines w0.2: 3.65,47.525 5.15,46.025 ; 4.45,32.725 4.625,32.725 5.025,33.125 5.025,33.73 5.12,33.825 5.405,34.11 ; 4.6,32.075 4.976,32.451 5.405,32.451 ; 5.15,35.6 5.15,46.025 ; 5.15,46 5.15,46.025 ; 0.925,44.175 0.925,44.25 0.925,51.6 3.575,51.6 3.575,44.175 0.925,44.175
  text "UCL-CPUM-H7-2" at 4.6,1.375 h0.8
Mechanical 1:
  the board outline again, w0.2
  text ".Pcb_File_Name_No_Path" at -1.5,-2.5 h1.52